# Altium PCB HIVE_BOARD.PcbDoc (part 2 of 9)
Units mil, origin at the board's own origin, x right, y up, seen from the top; angles counter-clockwise.
Board outline 4330.71 x 4330.71 mil, 8 copper layers (Top, GND_1, Signal_1, GND_2, PWR, Signal_2, GND_3, Bottom), stack 62.994 mil thick; 660 components, 468 nets, 2497 pads, 1806 vias.
Unrouted connection lines stored in the file: 30.
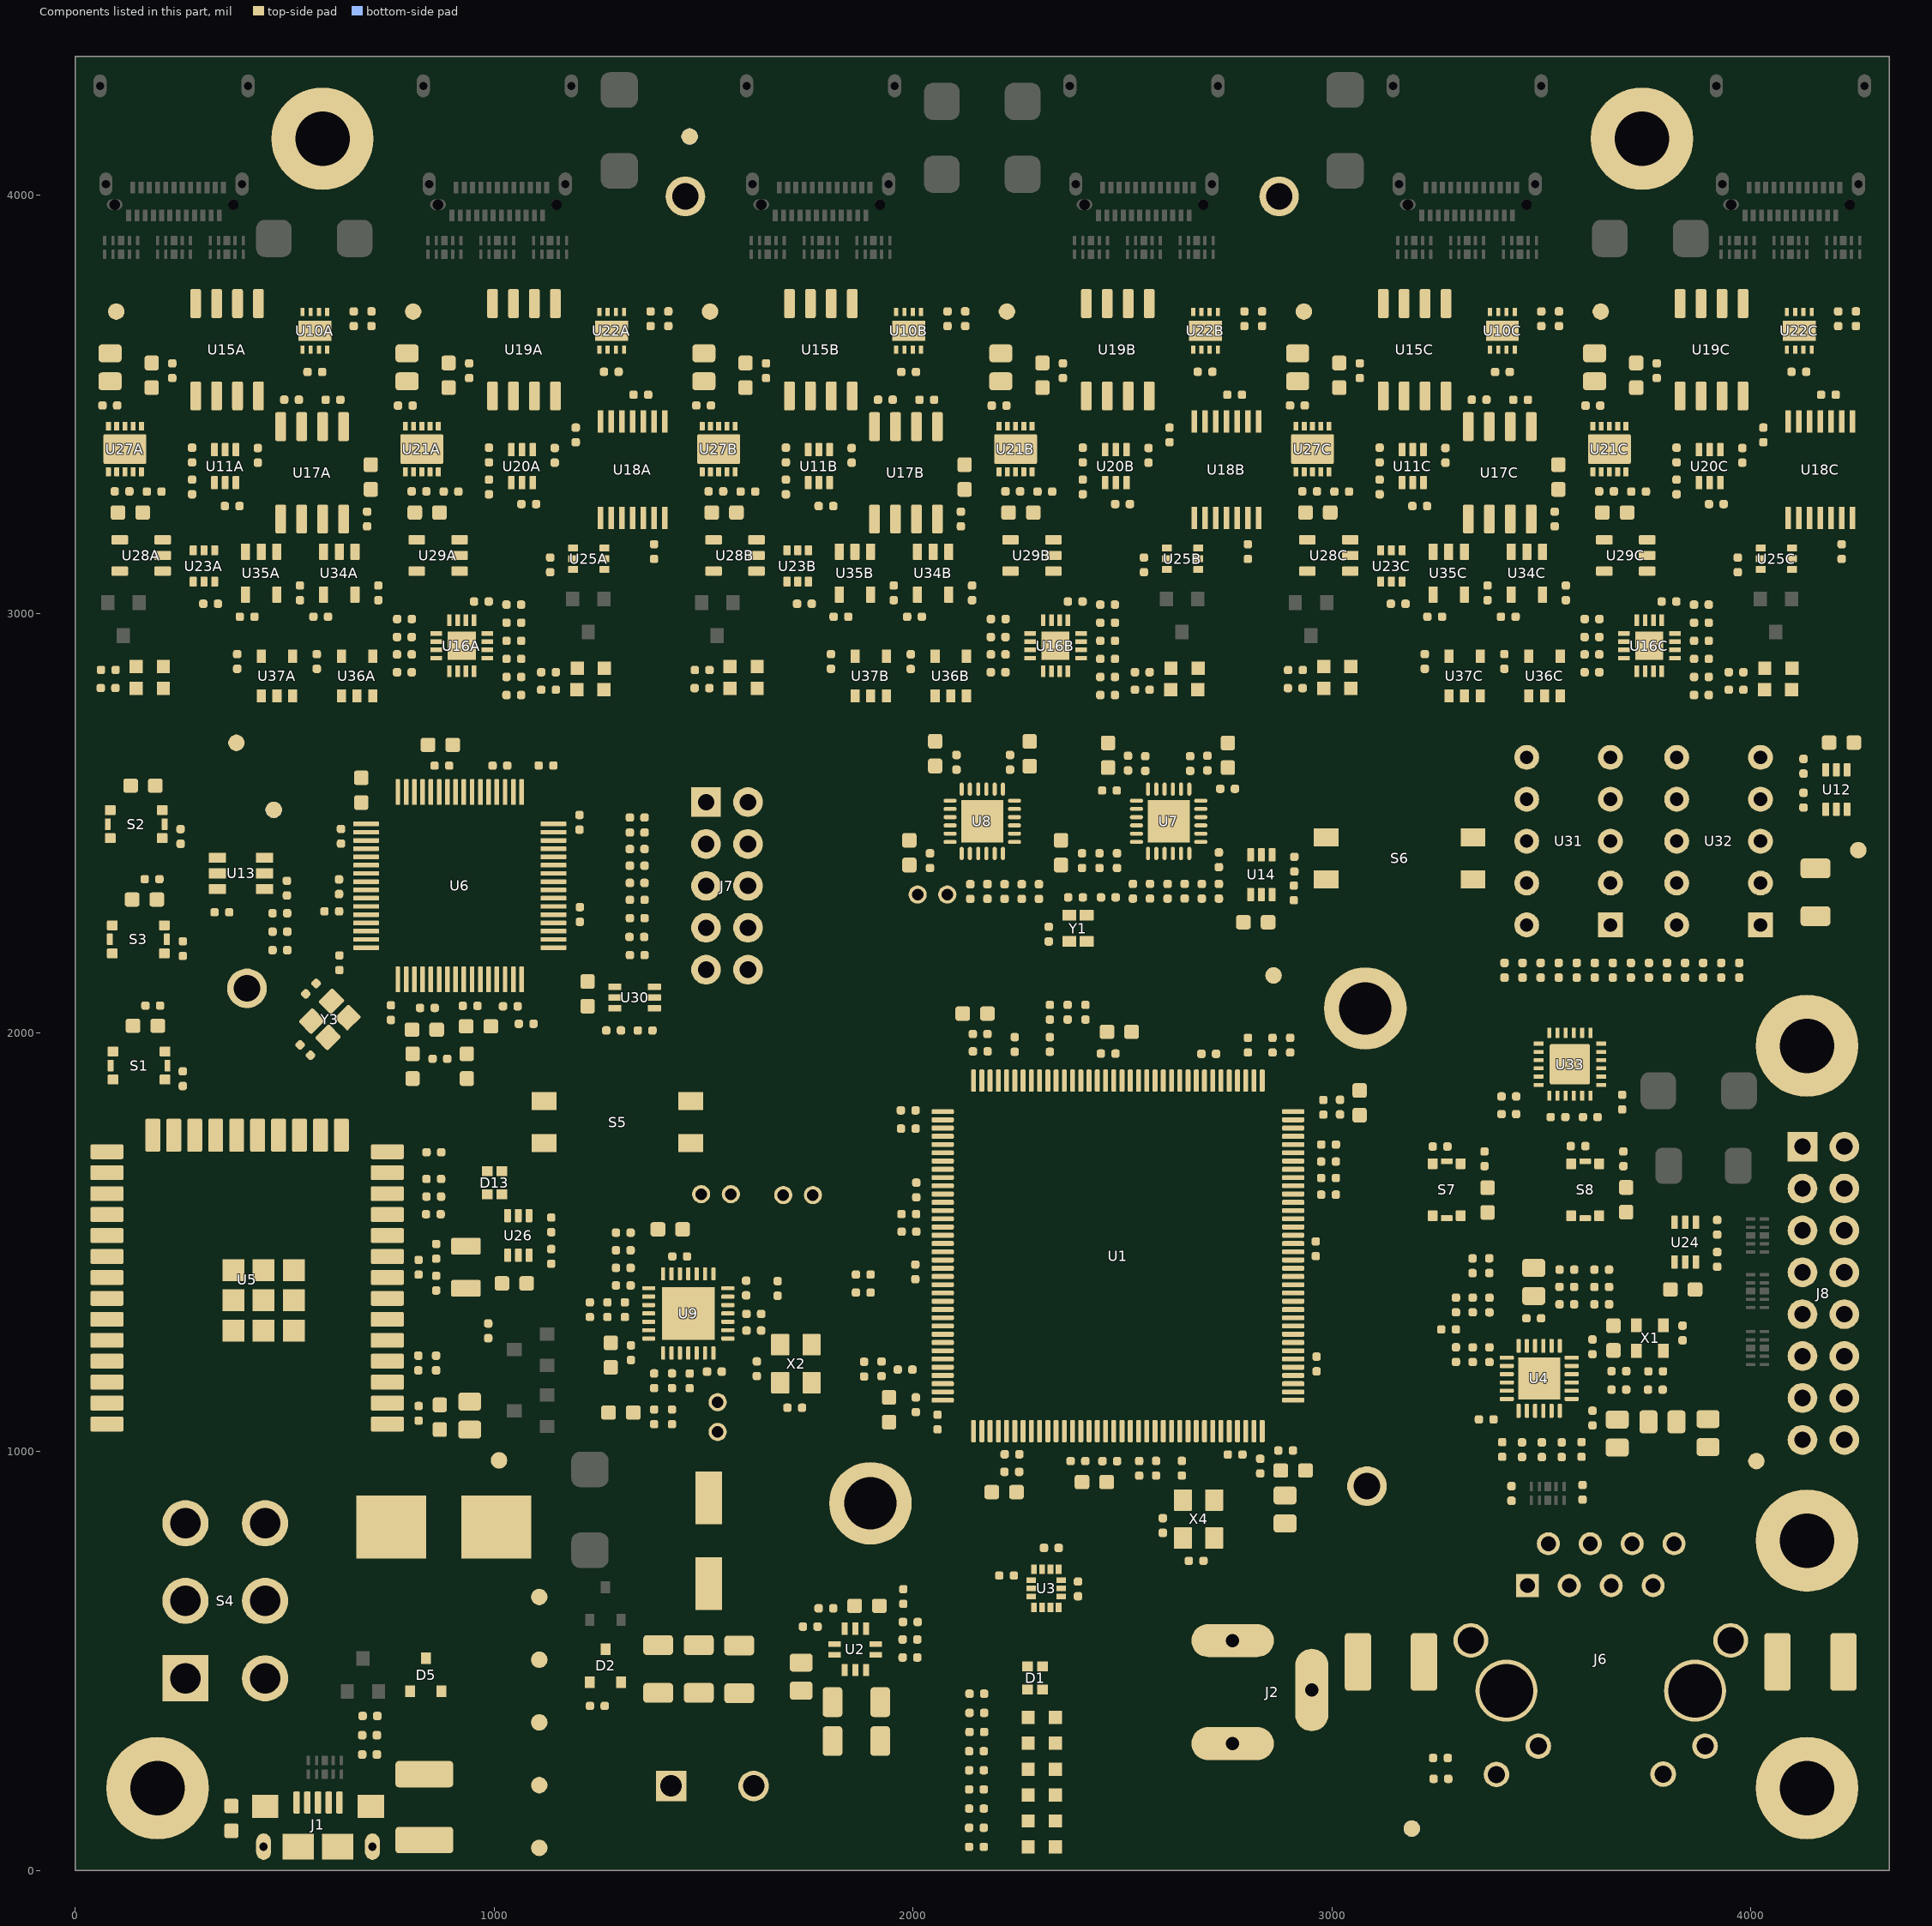
[diagram p8: the components of this part, seen from the top]

## Components (designator, comment, footprint, x,y, rotation, side; value= is the part's Value field where it differs from the comment) (continued)
R54 "RC0402FR-07100RP" RES_0402 1341.87,2316.97 r180 top value=100R
R55 "RC0402FR-07100RP" RES_0402 1341.73,2398.49 r180 top value=100R
R56 "RC0402FR-07100RP" RES_0402 1341.73,2438.31 r180 top value=100R
R57 "RC0402FR-07100RP" RES_0402 1341.73,2477.69 r180 top value=100R
R58 "RC0402FR-0710KL" RES_0402 3644.16,1351.58 r180 top value=10k
R59 "RC0402FR-0710KL" RES_0402 856.38,1714.42 r180 top value=10k
R60 "RC0402FR-0710KL" RES_0402 3336.09,1349.98 r90 top value=10k
R61 "RC0402FR-0710KL" RES_0402 3836.92,1283.07 r90 top value=10k
R62 "RC0402FR-07100RP" RES_0402 1341.73,2513.49 r180 top value=100R
R63 "RC0402FR-071KL" RES_0402 856.19,1608.67 r180 top value=1k
R64 "RC0402FR-0710KL" RES_0402 2675.95,739.23 r0 top value=10k
R65 "RC0402FR-0710KL" RES_0402 612.79,2289.57 r180 top value=10k
R66 "RC0402FR-0710KL" RES_0402 1076.79,2021.11 r180 top value=10k
R67 "RC0402FR-0710KL" RES_0402 488.9,2285.05 r180 top value=10k
R68 "RC0402FR-0710KL" RES_0402 489,2241.03 r0 top value=10k
R69 "RC0402FR-0710KL" RES_0402 489,2197 r0 top value=10k
R70 "RC0402FR-071ML" RES_0402 753.91,2047.81 r90 top value=1M
R71 "RC0402FR-07150RL" RES_0402 251.84,2468.27 r270 top value=150R
R72 "RC0402FR-072K2L" RES_0402 505.67,2344.9 r270 top value=2k2
R73 "RC0402FR-0710KL" RES_0402 3336.09,1231.32 r90 top value=10k
R74 "RC0402FR-0712KL" RES_0402 870.83,1937.68 r0 top value=12k
R75 "RC0402FR-0710KL" RES_0402 3685,1148 r180 top value=10k
R76 "RC0402FR-0710KL" RES_0402 3772.01,1147.78 r0 top value=10k
R77A "ERJ-2RKF4750X" RES_0402 79.38,2865.87 r180 top value=475R (schematic designator R77)
R77B "ERJ-2RKF4750X" RES_0402 1496.93,2865.58 r180 top value=475R (schematic designator R77)
R77C "ERJ-2RKF4750X" RES_0402 2912.97,2865.54 r180 top value=475R (schematic designator R77)
R78 "RC0402FR-0710KL" RES_0402 3375.49,1443.81 r270 top value=10k
R79 "RC0402FR-07100RP" RES_0402 1341.73,2357.44 r180 top value=100R
R80 "RC0402FR-071KL" RES_0402 2607.79,2337.5 r270 top value=1k
R81 "RC0402FR-071KL" RES_0402 2525,2337.5 r270 top value=1k
R82 "RC0402FR-0733RL" RES_0402 2387.99,2322.95 r180 top value=33R
R83 "RC0402FR-071KL" RES_0402 2648.59,2337.58 r90 top value=1k
R84 "RC0402FR-071KL" RES_0402 2565.8,2337.58 r90 top value=1k
R85 "RC0402FR-071KL" RES_0402 2689.39,2337.5 r270 top value=1k
R86 "RC0402FR-071KL" RES_0402 2730.19,2337.5 r270 top value=1k
R87 "RC0402FR-071KL" RES_0402 2136.79,2336.9 r270 top value=1k
R88 "RC0402FR-071KL" RES_0402 2177.77,2336.98 r90 top value=1k
R89 "RC0402FR-071KL" RES_0402 2218.74,2336.9 r270 top value=1k
R90 "RC0402FR-071KL" RES_0402 2259.72,2336.9 r270 top value=1k
R91 "RC0402FR-0710KL" RES_0402 861.77,1211.44 r90 top value=10k
R92 "RC0402FR-0710KL" RES_0402 986.28,1288.27 r270 top value=10k
R93A "RC0402FR-0710KL" RES_0402 279.32,3302.52 r90 top value=10k (schematic designator R93)
R93B "RC0402FR-0710KL" RES_0402 1696.65,3302.52 r90 top value=10k (schematic designator R93)
R93C "RC0402FR-0710KL" RES_0402 3113.97,3302.52 r90 top value=10k (schematic designator R93)
R94A "RC0402FR-07100RP" RES_0402 572.34,3577 r0 top value=100R (schematic designator R94)
R94B "RC0402FR-07100RP" RES_0402 1989.66,3577 r0 top value=100R (schematic designator R94)
R94C "RC0402FR-07100RP" RES_0402 3406.98,3577 r0 top value=100R (schematic designator R94)
R95A "RC0402FR-07100KL" RES_0402 436.3,3377.98 r90 top value=100k (schematic designator R95)
R95B "RC0402FR-07100KL" RES_0402 1853.62,3377.98 r90 top value=100k (schematic designator R95)
R95C "RC0402FR-07100KL" RES_0402 3270.94,3377.98 r90 top value=100k (schematic designator R95)
R96 "RC0402FR-0710KL" RES_0402 4125.61,2635.86 r90 top value=10k
R97A "RC0402FR-07100KL" RES_0402 279.32,3378.76 r270 top value=100k (schematic designator R97)
R97B "RC0402FR-07100KL" RES_0402 1696.64,3378.76 r270 top value=100k (schematic designator R97)
R97C "RC0402FR-07100KL" RES_0402 3113.96,3378.76 r270 top value=100k (schematic designator R97)
R98 "RC0402FR-0710KL" RES_0402 2909.13,2333.55 r270 top value=10k
R99A "RC0402FR-07100KL" RES_0402 1382.08,3148.25 r90 top value=100k (schematic designator R99)
R99B "RC0402FR-07100KL" RES_0402 2799.4,3148.25 r90 top value=100k (schematic designator R99)
R99C "RC0402FR-07100KL" RES_0402 4216.73,3148.25 r90 top value=100k (schematic designator R99)
R100A "RC0402FR-07100KL" RES_0402 786.11,2902.87 r0 top value=100k (schematic designator R100)
R100B "RC0402FR-07100KL" RES_0402 2203.43,2902.87 r0 top value=100k (schematic designator R100)
R100C "RC0402FR-07100KL" RES_0402 3620.76,2902.87 r0 top value=100k (schematic designator R100)
R101A "RC0402FR-0710KL" RES_0402 1047.35,2978.49 r0 top value=10k (schematic designator R101)
R101B "RC0402FR-0710KL" RES_0402 2464.68,2978.49 r0 top value=10k (schematic designator R101)
R101C "RC0402FR-0710KL" RES_0402 3882,2978.49 r0 top value=10k (schematic designator R101)
R102A "RC0402FR-070RL" RES_0402 1047.35,2935.32 r0 top value=0R (schematic designator R102)
R102B "RC0402FR-070RL" RES_0402 2464.68,2935.32 r0 top value=0R (schematic designator R102)
R102C "RC0402FR-070RL" RES_0402 3882,2935.32 r0 top value=0R (schematic designator R102)
R103A "RC0402FR-0784R5L" RES_0402 615.77,3510.59 r0 top value=84R5 (schematic designator R103)
R103B "RC0402FR-0784R5L" RES_0402 2033.09,3510.59 r0 top value=84R5 (schematic designator R103)
R103C "RC0402FR-0784R5L" RES_0402 3450.41,3510.59 r0 top value=84R5 (schematic designator R103)
R104A "RC0402FR-0784R5L" RES_0402 516.77,3510.8 r0 top value=84R5 (schematic designator R104)
R104B "RC0402FR-0784R5L" RES_0402 1934.09,3510.8 r0 top value=84R5 (schematic designator R104)
R104C "RC0402FR-0784R5L" RES_0402 3351.41,3510.8 r0 top value=84R5 (schematic designator R104)
R105A "RC0402FR-070RL" RES_0402 1047.35,2892.16 r0 top value=0R (schematic designator R105)
R105B "RC0402FR-070RL" RES_0402 2464.68,2892.16 r0 top value=0R (schematic designator R105)
R105C "RC0402FR-070RL" RES_0402 3882,2892.16 r0 top value=0R (schematic designator R105)
R106A "RC0402FR-07100KL" RES_0402 786.03,2860.21 r180 top value=100k (schematic designator R106)
R106B "RC0402FR-07100KL" RES_0402 2203.36,2860.21 r180 top value=100k (schematic designator R106)
R106C "RC0402FR-07100KL" RES_0402 3620.68,2860.21 r180 top value=100k (schematic designator R106)
R107A "RC0402FR-07100KL" RES_0402 786.3,2987.17 r0 top value=100k (schematic designator R107)
R107B "RC0402FR-07100KL" RES_0402 2203.62,2987.17 r0 top value=100k (schematic designator R107)
R107C "RC0402FR-07100KL" RES_0402 3620.95,2987.17 r0 top value=100k (schematic designator R107)
R108A "RC0402FR-0740K2L" RES_0402 786.03,2944.22 r0 top value=40k2 (schematic designator R108)
R108B "RC0402FR-0740K2L" RES_0402 2203.36,2944.22 r0 top value=40k2 (schematic designator R108)
R108C "RC0402FR-0740K2L" RES_0402 3620.68,2944.22 r0 top value=40k2 (schematic designator R108)
R109 "RC0402FR-0710KL" RES_0402 3919.67,1458.8 r90 top value=10k
R110A "ERJ-2RKF4750X" RES_0402 1130.07,2860.29 r180 top value=475R (schematic designator R110)
R110B "ERJ-2RKF4750X" RES_0402 2547.39,2860.29 r180 top value=475R (schematic designator R110)
R110C "ERJ-2RKF4750X" RES_0402 3964.71,2860.29 r180 top value=475R (schematic designator R110)
R111A "RC0402FR-0710KL" RES_0402 1047.35,2849 r0 top value=10k (schematic designator R111)
R111B "RC0402FR-0710KL" RES_0402 2464.68,2849 r0 top value=10k (schematic designator R111)
R111C "RC0402FR-0710KL" RES_0402 3882,2849 r0 top value=10k (schematic designator R111)
R112A "RC0402FR-0710KL" RES_0402 987.99,3302.52 r90 top value=10k (schematic designator R112)
R112B "RC0402FR-0710KL" RES_0402 2405.31,3302.52 r90 top value=10k (schematic designator R112)
R112C "RC0402FR-0710KL" RES_0402 3822.63,3302.52 r90 top value=10k (schematic designator R112)
R113A "RC0402FR-0710KL" RES_0402 1047.28,2805.84 r180 top value=10k (schematic designator R113)
R113B "RC0402FR-0710KL" RES_0402 2464.6,2805.84 r180 top value=10k (schematic designator R113)
R113C "RC0402FR-0710KL" RES_0402 3881.92,2805.84 r180 top value=10k (schematic designator R113)
R114 "RC0402FR-0710KL" RES_0402 3364.26,1698.84 r90 top value=10k
R115A "ERJ-2RKF4750X" RES_0402 78.85,2822.71 r180 top value=475R (schematic designator R115)
R115B "ERJ-2RKF4750X" RES_0402 1496.4,2822.42 r180 top value=475R (schematic designator R115)
R115C "ERJ-2RKF4750X" RES_0402 2912.44,2822.37 r180 top value=475R (schematic designator R115)
R116 "RC0402FR-0710KL" RES_0402 1881.34,1379.64 r0 top value=10k
R117A "RC0402FR-07100KL" RES_0402 1144.96,3377.98 r90 top value=100k (schematic designator R117)
R117B "RC0402FR-07100KL" RES_0402 2562.28,3377.98 r90 top value=100k (schematic designator R117)
R117C "RC0402FR-07100KL" RES_0402 3979.61,3377.98 r90 top value=100k (schematic designator R117)
R118A "RC0402FR-07100KL" RES_0402 987.98,3378.76 r270 top value=100k (schematic designator R118)
R118B "RC0402FR-07100KL" RES_0402 2405.3,3378.76 r270 top value=100k (schematic designator R118)
R118C "RC0402FR-07100KL" RES_0402 3822.62,3378.76 r270 top value=100k (schematic designator R118)
R119A "RC0402FR-07100KL" RES_0402 1350.51,3522.73 r180 top value=100k (schematic designator R119)
R119B "RC0402FR-07100KL" RES_0402 2767.84,3522.73 r180 top value=100k (schematic designator R119)
R119C "RC0402FR-07100KL" RES_0402 4185.16,3522.73 r180 top value=100k (schematic designator R119)
R120 "RC0402FR-0710KL" RES_0402 1136.54,1465.9 r270 top value=10k
R121 "RC0402FR-0710KL" RES_0402 3695.73,1698.78 r90 top value=10k
R122 "RC0402FR-0710KL" RES_0402 1881.34,1422.63 r180 top value=10k
R123A "ERJ-2RKF4750X" RES_0402 1130.07,2818.46 r180 top value=475R (schematic designator R123)
R123B "ERJ-2RKF4750X" RES_0402 2547.39,2818.46 r180 top value=475R (schematic designator R123)
R123C "ERJ-2RKF4750X" RES_0402 3964.71,2818.46 r180 top value=475R (schematic designator R123)
R124A "RC0402FR-0710KL" RES_0402 1047.28,3021.65 r180 top value=10k (schematic designator R124)
R124B "RC0402FR-0710KL" RES_0402 2464.6,3021.65 r180 top value=10k (schematic designator R124)
R124C "RC0402FR-0710KL" RES_0402 3881.92,3021.65 r180 top value=10k (schematic designator R124)
R125 "RC0402FR-0710KL" RES_0402 1285.43,2005.33 r180 top value=10k
R126 "RC0402FR-0710KL" RES_0402 1124.21,2637.61 r0 top value=10k
R127A "RC0402FR-0710KL" RES_0402 897.46,3291.48 r0 top value=10k (schematic designator R127)
R127B "RC0402FR-0710KL" RES_0402 2314.78,3291.48 r0 top value=10k (schematic designator R127)
R127C "RC0402FR-0710KL" RES_0402 3732.1,3291.48 r0 top value=10k (schematic designator R127)
R128A "RC0402FR-07100RP" RES_0402 1279.92,3577.37 r0 top value=100R (schematic designator R128)
R128B "RC0402FR-07100RP" RES_0402 2697.24,3577.37 r0 top value=100R (schematic designator R128)
R128C "RC0402FR-07100RP" RES_0402 4114.56,3577.37 r0 top value=100R (schematic designator R128)
R129 "ERJ-2RKF4750X" RES_0402 2151.59,284.99 r0 top value=475R
R130 "RC0402FR-0747RL" RES_0402 2828.91,965.37 r90 top value=47R
R131 "RC0402FR-0710KL" RES_0402 2223.44,704.15 r0 top value=10k
R132 "RC0402FR-071ML" RES_0402 820.01,1440.03 r270 top value=1M
R133A "RC0402FR-0710KL" RES_0402 188.8,3291.48 r0 top value=10k (schematic designator R133)
R133B "RC0402FR-0710KL" RES_0402 1606.12,3291.48 r0 top value=10k (schematic designator R133)
R133C "RC0402FR-0710KL" RES_0402 3023.44,3291.48 r0 top value=10k (schematic designator R133)
R134 "RC0402FR-0710KL" RES_0402 3616.7,1798.47 r0 top value=10k
R135 "RC0402FR-07150RL" RES_0402 3498.18,2148.9 r90 top value=150R
R136 "RC0402FR-07150RL" RES_0402 3799.9,2148.9 r90 top value=150R
R137 "RC0402FR-07150RL" RES_0402 3455.08,2148.9 r90 top value=150R
R138 "RC0402FR-07150RL" RES_0402 3756.8,2148.9 r90 top value=150R
R139 "RC0402FR-07150RL" RES_0402 3411.97,2148.9 r90 top value=150R
R140 "RC0402FR-07150RL" RES_0402 3713.69,2148.9 r90 top value=150R
R141 "RC0402FR-07150RL" RES_0402 3541.28,2148.9 r90 top value=150R
R142 "RC0402FR-07150RL" RES_0402 3843,2148.9 r90 top value=150R
R143 "RC0402FR-07150RL" RES_0402 3584.39,2148.9 r90 top value=150R
R144 "RC0402FR-07150RL" RES_0402 3886.11,2148.9 r90 top value=150R
R145 "RC0402FR-07150RL" RES_0402 3670.59,2148.9 r90 top value=150R
R146 "RC0402FR-07150RL" RES_0402 3972.31,2148.9 r90 top value=150R
R147 "RC0402FR-07150RL" RES_0402 3627.49,2148.9 r90 top value=150R
R148 "RC0402FR-07150RL" RES_0402 3929.21,2148.9 r90 top value=150R
R149 "RC0402FR-07150RL" RES_0402 3258.22,1728.24 r180 top value=150R
R150 "RC0402FR-07150RL" RES_0402 3587.55,1729.21 r180 top value=150R
R151A "CRCW04023R48FKED" RES_0402 83,3497 r0 top value=3R48 (schematic designator R151)
R151B "CRCW04023R48FKED" RES_0402 1500.32,3497 r0 top value=3R48 (schematic designator R151)
R151C "CRCW04023R48FKED" RES_0402 2917.65,3497 r0 top value=3R48 (schematic designator R151)
R152A "CRCW04023R48FKED" RES_0402 788.29,3496.72 r0 top value=3R48 (schematic designator R152)
R152B "CRCW04023R48FKED" RES_0402 2205.61,3496.72 r0 top value=3R48 (schematic designator R152)
R152C "CRCW04023R48FKED" RES_0402 3622.94,3496.72 r0 top value=3R48 (schematic designator R152)
R153 "RC0402FR-0710KL" RES_0402 3692.89,1834.22 r270 top value=10k
R156 "RC0402FR-0710KL" RES_0402 3335.63,1443.59 r90 top value=10k
R157 "RC0402FR-0710KL" RES_0402 3560.7,1393.08 r180 top value=10k
R158 "RC0402FR-0710KL" RES_0402 3644.08,1392.88 r0 top value=10k
R159 "RC0402FR-0710KL" RES_0402 3376.06,1349.9 r270 top value=10k
R160 "RC0402FR-0710KL" RES_0402 3376.06,1231.24 r270 top value=10k
R161 "RC0402FR-0733RL" RES_0402 1990.09,1566.89 r0 top value=33R
R162 "RC0402FR-0733RL" RES_0402 2991.92,1692.24 r180 top value=33R
R163 "RC0402FR-0733RL" RES_0402 1988.64,1814.41 r180 top value=33R
R164A "RC0402FR-0733RL" RES_0402 586.32,2992.75 r180 top value=33R (schematic designator R164)
R164B "RC0402FR-0733RL" RES_0402 2003.65,2992.75 r180 top value=33R (schematic designator R164)
R164C "RC0402FR-0733RL" RES_0402 3420.97,2992.75 r180 top value=33R (schematic designator R164)
R165 "RC0402FR-0733RL" RES_0402 2900.48,1970.15 r270 top value=33R
R166 "RC0402FR-0733RL" RES_0402 1989,1771 r180 top value=33R
R167 "RC0402FR-0733RL" RES_0402 2858.22,1970.15 r270 top value=33R
R168 "RC0402FR-0733RL" RES_0402 2799.53,1970.15 r270 top value=33R
R169 "RC0402FR-0733RL" RES_0402 2540,960 r90 top value=33R
R170 "RC0402FR-0733RL" RES_0402 2580.32,960.32 r90 top value=33R
R171 "RC0402FR-0733RL" RES_0402 1990.5,1525 r180 top value=33R
R172 "RC0402FR-0733RL" RES_0402 2992,1613.38 r0 top value=33R
R173 "RC0402FR-0733RL" RES_0402 2992,1653 r0 top value=33R
R174A "RC0402FR-0733RL" RES_0402 410.82,2992.75 r0 top value=33R (schematic designator R174)
R174B "RC0402FR-0733RL" RES_0402 1828.15,2992.75 r0 top value=33R (schematic designator R174)
R174C "RC0402FR-0733RL" RES_0402 3245.47,2992.75 r0 top value=33R (schematic designator R174)
R175 "RC0402FR-0710KL" RES_0402 1883.38,1196.84 r90 top value=10k
R176 "RC0402FR-0710KL" RES_0402 1924.93,1197.51 r90 top value=10k
R177 "RC0402FR-0710KL" RES_0402 1467.17,1168.81 r90 top value=10k
R178 "RC0402FR-070RL" RES_0402 2641.78,960.32 r90 top value=0R
R179 "RC0402FR-0733RL" RES_0402 2326.79,1971.75 r270 top value=33R
R180 "RC0402FR-0710KL" RES_0402 2730.19,2412.62 r270 top value=10k
R181 "RC0402FR-0710KL" RES_0402 2300.69,2336.9 r270 top value=10k
R182 "RC0402FR-071KL" RES_0402 2411.73,2048.73 r270 top value=1k
R183 "RC0402FR-071KL" RES_0402 2369.26,2048.81 r90 top value=1k
R184 "RC0402FR-070RL" RES_0402 2326.79,2048.73 r270 top value=0R
R185 "RC0402FR-070RL" RES_0402 1620.11,1289 r180 top value=0R
R186 "RC0402FR-070RL" RES_0402 3685.08,1192 r0 top value=0R
S1 "435171014816" SWI_TACT_435171014816 152.77,1921.46 r180 top value=SPST-NO
S2 "435171014816" SWI_TACT_435171014816 145.97,2497.63 r180 top value=SPST-NO
S3 "435171014816" SWI_TACT_435171014816 150.92,2222.62 r180 top value=SPST-NO
S4 "500SDP1S1M2QEA" SWI_500SDP1S1M2QEA 358.54,643.83 r90 top value=DPDT
S5 "A6S-2104-H" SWI_A6S-2104-H 1294.69,1786.34 r180 top
S6 "A6S-2104-H" SWI_A6S-2104-H 3161.5,2415.96 r180 top
S7 "435171014816" SWI_TACT_435171014816 3274.03,1625.2 r90 top value=SPST-NO
S8 "435171014816" SWI_TACT_435171014816 3604.62,1624.97 r90 top value=SPST-NO
TP1 "1 MM" TPO_SMD_ROUND_1MM 1108,54.13 r0 top
TP2 "1 MM" TPO_SMD_ROUND_1MM 1108,653 r270 top
TP3 "1 MM" TPO_SMD_ROUND_1MM 1108,203.84 r90 top
TP4 "1 MM" TPO_SMD_ROUND_1MM 1108,503.28 r90 top
TP5 "1 MM" TPO_SMD_ROUND_1MM 1108,353.56 r90 top
TP6A "1 MM" TPO_SMD_ROUND_1MM 98.34,3721.19 r90 top (schematic designator TP6)
TP6B "1 MM" TPO_SMD_ROUND_1MM 1515.66,3721.19 r90 top (schematic designator TP6)
TP6C "1 MM" TPO_SMD_ROUND_1MM 2932.98,3721.19 r90 top (schematic designator TP6)
TP7A "1 MM" TPO_SMD_ROUND_1MM 807,3721.19 r90 top (schematic designator TP7)
TP7B "1 MM" TPO_SMD_ROUND_1MM 2224.32,3721.19 r90 top (schematic designator TP7)
TP7C "1 MM" TPO_SMD_ROUND_1MM 3641.64,3721.19 r90 top (schematic designator TP7)
TP8 "TH ROUND x2" TPO_TH_ROUND_0.7mm_DOUBLE 1533.84,1082.41 r270 top
TP9 "TH ROUND x2" TPO_TH_ROUND_0.7mm_DOUBLE 1529.92,1614.52 r0 top
TP10 "TH ROUND x2" TPO_TH_ROUND_0.7mm_DOUBLE 1725.79,1612.28 r0 top
TP11 "1 MM" TPO_SMD_ROUND_1MM 2860.71,2136.52 r90 top
TP12 "TH ROUND x2" TPO_TH_ROUND_0.7mm_DOUBLE 2046.55,2329.55 r180 top
TP13 "5011" TPO_5011 3083.73,917.49 r0 top
TP14 "5011" TPO_5011 2874.02,3996.06 r0 top locked
TP15 "5011" TPO_5011 1456.69,3996.06 r0 top locked
TP16 "5011" TPO_5011 410.43,2105.63 r0 top
TP17 "1 MM" TPO_SMD_ROUND_1MM 4256.27,2435.61 r90 top
TP18 "1 MM" TPO_SMD_ROUND_1MM 1012,979 r90 top
TP19 "1 MM" TPO_SMD_ROUND_1MM 4013.19,977.28 r90 top
TP20 "1 MM" TPO_SMD_ROUND_1MM 385.1,2691.81 r90 top
U1 "STM32H735ZGT6" MCU_STM32H735ZGT6 2489.22,1467.1 r90 top locked value="550MHz MCU"
U2 "RPL-3.0-CT" REG_SWR_RPL-3.0-CT 1862.34,527.78 r0 top
U3 "LSM6DSMTR" SEN_IMU_LSM6DSMTR 2318.27,673.58 r270 top value=-
U4 "LAN8742A-CZ" COM_ETH_LAN8742A-CZ-TR 3494.85,1174.83 r180 top
U5 "ESP32-WROOM-32UE (4MB)" COM_ESP32-WROOM-32UE(8MB) 410.7,1360.98 r180 top
U6 "FT4232HL-REEL" COM_USB_FT4232HL-REEL 918.17,2350.49 r90 top
U7 "SI53342-B-GM" TIM_FAN_SI53342-B-GM 2610.39,2504.45 r0 top value=2:6
U8 "SI53342-B-GM" TIM_FAN_SI53342-B-GM 2165.51,2504.45 r0 top value=2:6
U9 "USB2412-DZK" USB_USB2412-DZK 1463.72,1329.83 r270 top value=2-PORTS
U10A "DS90LV001TLD/NOPB" COM_BUF_DS90LV001TLD/NOPB 572.3,3675.23 r90 top value=LVDS (schematic designator U10)
U10B "DS90LV001TLD/NOPB" COM_BUF_DS90LV001TLD/NOPB 1989.62,3675.23 r90 top value=LVDS (schematic designator U10)
U10C "DS90LV001TLD/NOPB" COM_BUF_DS90LV001TLD/NOPB 3406.94,3675.23 r90 top value=LVDS (schematic designator U10)
U11A "TC7PZ05FU,LJ(CT" LOG_BUF_TC7PZ05FU,LJ(CT 358.33,3352.19 r270 top (schematic designator U11)
U11B "TC7PZ05FU,LJ(CT" LOG_BUF_TC7PZ05FU,LJ(CT 1775.66,3352.19 r270 top (schematic designator U11)
U11C "TC7PZ05FU,LJ(CT" LOG_BUF_TC7PZ05FU,LJ(CT 3192.98,3352.19 r270 top (schematic designator U11)
U12 "MIC94072YC6-TR" POW_MIC94072YC6-TR 4204.25,2580.07 r270 top value=120mOhm
U13 "93LC46BT-E/OT" MEM_EEPROM_93LC46BT-E/OT 396.1,2380.14 r180 top value=1Kb
U14 "MIC94072YC6-TR" POW_MIC94072YC6-TR 2831.7,2377.04 r90 top value=120mOhm
U15A "FIN1027AMX" COM_XCV_FIN1027AMCOM 362.82,3630.02 r90 top value=600Mbps (schematic designator U15)
U15B "FIN1027AMX" COM_XCV_FIN1027AMCOM 1780.15,3630.02 r90 top value=600Mbps (schematic designator U15)
U15C "FIN1027AMX" COM_XCV_FIN1027AMCOM 3197.47,3630.02 r90 top value=600Mbps (schematic designator U15)
U16A "LM339LVRTER" CMP_LM339LVRTER 922.98,2923.47 r270 top (schematic designator U16)
U16B "LM339LVRTER" CMP_LM339LVRTER 2340.3,2923.47 r270 top (schematic designator U16)
U16C "LM339LVRTER" CMP_LM339LVRTER 3757.62,2923.47 r270 top (schematic designator U16)
U17A "FIN1028MX" COM_XCV_FIN1028MX 565.94,3336.29 r270 top value=400Mbps (schematic designator U17)
U17B "FIN1028MX" COM_XCV_FIN1028MX 1983.26,3336.29 r270 top value=400Mbps (schematic designator U17)
U17C "FIN1028MX" COM_XCV_FIN1028MX 3400.58,3336.29 r270 top value=400Mbps (schematic designator U17)